# KiCad board V1.1.kicad_pcb (continued)
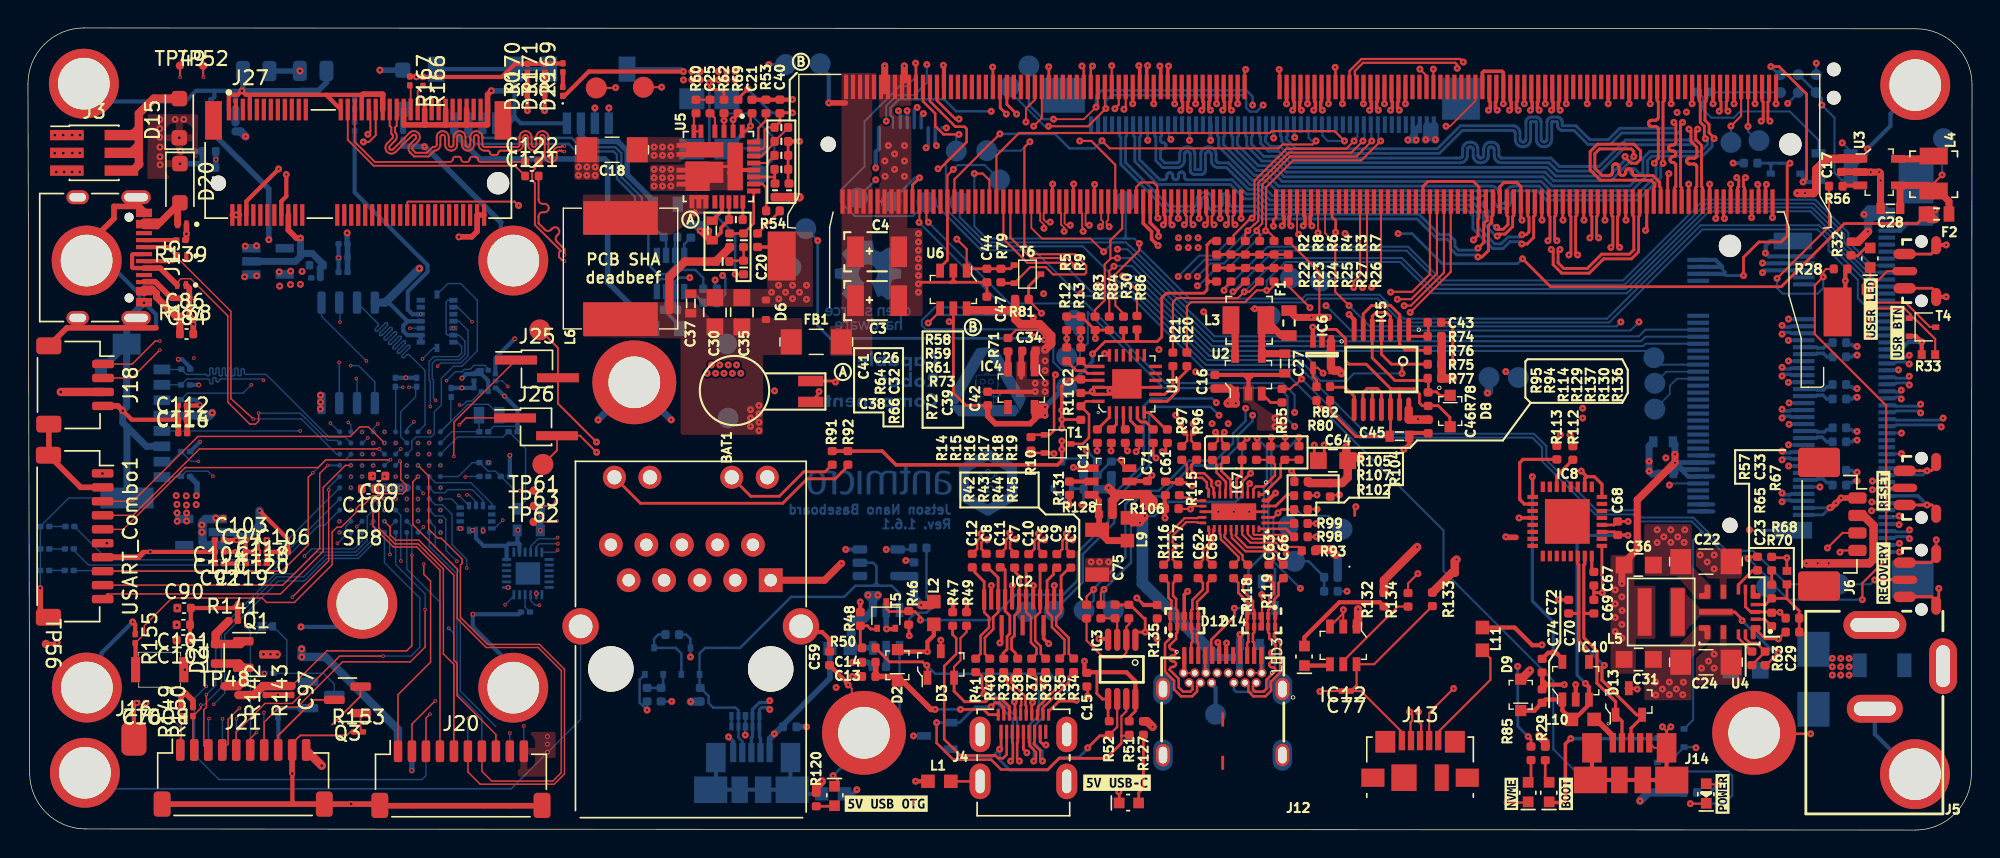
[diagram p0: board, top side]
## Routing (per net, layer and track width the routed paths; a pad name or vN(x,y) marks a point on that pad's centre or on a via; arc(x,y) is an arc through that point) (continued)
TMDS_HPD: length 66.3
  Top w0.15: M1.96 101.25,39.9 98.89,37.53 v1(98.4,37.53)
  Top w0.18: v1(63.81,15.03) 63.81,15.25 63.42,15.64 61.57,15.64 61.37,15.84 T5.3
  In3_SIGNAL.Cu w0.15: v1(84.97,30.59) 85.52,30.04 86.32,30.04 87.27,29.09 87.77,29.09 88.07,29.39 88.07,32.09 90.1,34.12 95.67,34.12 98.37,36.82 98.37,37.5 v1(98.4,37.53)
  Bottom w0.18: 71.37,16.49 71.37,16.79 71.42,16.84 ; 71.37,16.49 71.37,16.59 ; 71.37,16.49 TP24.1 ; v1(84.97,30.59) 84.67,30.89 80.32,30.89 79.77,30.34 79.77,26.19 77.27,23.69 77.27,22.09 75.07,19.89 75.07,17.89 74.02,16.84 71.62,16.84 ; 71.62,16.84 71.42,16.84 ; 71.62,16.84 71.37,16.59 ; 71.37,16.59 71.12,16.84 ; v1(63.81,15.03) 68.81,15.03 70.62,16.84 71.12,16.84 ; 71.42,16.84 71.12,16.84
UART0_RX: length 58.2
  Top w0.138: v1(40.65,27.77) 37.9,30.52 J25.2 37.9,34.5 TP18.1 ; v1(71.36,50.68) 71.36,51.63 72,52.27 M1.205
  In3_SIGNAL.Cu w0.138: v1(71.36,50.68) 71.36,50.49 70.25,49.38 69.43,49.38 66.98,46.93 66.98,41.04 63.61,37.67 63.61,34.3 57.08,27.77 v1(40.65,27.77)
UART0_TX: length 54.8
  Top w0.138: M1.203 72.5,50.97 v1(71.91,50.38) ; TP16.1 37.83,27.18 J26.2 39.47,28.22 v1(40.66,27.04)
  In3_SIGNAL.Cu w0.138: v1(40.66,27.04) 56.9,27.04 63.93,34.07 63.93,36.47 67.24,39.79 67.24,45.94 71.68,50.37 71.87,50.37 v1(71.91,50.38) 71.89,50.37 71.88,50.37
UART1_RX: length 74.9
  Top w0.15: M1.238 63.75,43.52 v1(63.72,43.49)
  Top w0.25: R112.2 110.47,28.09 v1(110.27,28.29)
  In5_3V3_SYS_SIGNAL.Cu w0.15: v1(90.57,28.89) 91.57,28.89 92.27,28.19 94.47,28.19 94.87,27.79 109.77,27.79 v1(110.27,28.29)
  Bottom w0.15: v1(90.57,28.89) 90.07,29.39 90.07,31.04 89.48,31.63 81.21,31.63 75.78,37.07 75.78,34.85 75.22,34.28 75.22,33.5 74.66,32.94 73.88,32.94 73.32,33.5 73.32,35.4 72.88,35.84 64.18,35.84 63.92,36.1 63.92,36.48 64.86,37.42 69.79,37.42 v1(63.72,43.49)
UART1_TX: length 54.8
  Top w0.15: v1(64.38,43.5) 64.25,43.63 M1.236
  Top w0.23: v1(109.57,28.29) 109.32,28.04 R113.2
  In5_3V3_SYS_SIGNAL.Cu w0.15: v1(109.57,28.29) 109.37,28.09 95.07,28.09 94.57,28.59 92.37,28.59 91.57,29.39 91.07,29.39 v1(90.57,29.89)
  Bottom w0.15: v1(90.57,29.89) 90.57,31.14 89.72,31.99 81.34,31.99 75.64,37.69 70.19,37.69 v1(64.38,43.5)
USB1_D_N: length 67.7
  Top w0.25: v1(96.56,51.52) 96.43,51.65 96.43,52.11 96.5,52.17 96.5,53.18 ; J12.A7 85.68,13.36 v1(85.7,13.38)
  In2.Cu w0.16: J12.B7 85.29,11.5 85.29,11.87 82.06,15.1 82.06,26.89 78.72,30.22 78.72,50.75 79.53,51.55 79.53,52.35 80.22,53.04 95.79,53.04 96.39,52.44 96.39,51.69 v1(96.56,51.52)
  In3_SIGNAL.Cu w0.2: J12.B7 85.03,11.96 85.69,12.62 85.69,13.37
USB1_D_P: length 66.9
  Top w0.25: v1(95.93,51.52) 96.06,51.65 96.06,52.11 96,52.17 96,53.18 ; v1(85.08,13.43) 85.18,13.32 J12.A6
  In2.Cu w0.16: v1(95.93,51.52) 96.1,51.69 96.1,52.32 95.67,52.76 80.34,52.76 79.81,52.23 79.81,51.43 79.01,50.63 79.01,30.34 82.34,27.01 82.34,15.22 85.57,11.99 85.57,11.5 J12.B6
  In5_3V3_SYS_SIGNAL.Cu w0.175: v1(85.08,13.43) 85.08,12.81 85.83,12.06 J12.B6
USB2_D_N: length 59.9
  Top w0.16: J13.2 98.86,6.44 98.86,7.71 98.98,7.83 98.98,8.28 v1(98.8,8.46) ; M1.121 95,53.91 94.88,54.03 94.88,54.33 95.46,54.92 102.06,54.92 102.2,54.78 v1(102.2,54.53)
  In2.Cu w0.16: v1(102.2,54.53) 102.37,54.35 102.37,23.7 arc(102.29,23.49) 102.07,23.4 101.93,23.4 arc(101.71,23.31) 101.63,23.1 arc(101.71,22.89) 101.93,22.8 102.07,22.8 arc(102.29,22.71) 102.37,22.5 102.37,20.72 98.98,17.32 98.98,8.64 v1(98.8,8.46)
USB2_D_P: length 59.9
  Top w0.16: J13.3 99.62,6.48 99.62,7.56 99.43,7.76 v1(99.43,8.46) ; v1(102.64,54.97) 102.42,55.19 95.35,55.19 94.5,54.33 M1.123
  In2.Cu w0.16: v1(102.64,54.97) 102.64,54.71 102.64,54.71 102.64,54.46 102.64,54.46 102.64,20.6 99.25,17.21 99.25,8.64 v1(99.43,8.46)
USBSS_RX6_N: length 31.3
  Top w0.16: R97.1 82.9,27.86 82.9,28.3 v1(82.72,28.47)
  Top w0.23: 83,53.18 83,52.17 82.92,52.1 82.92,51.66 v1(83.06,51.52) ; 83,51.56 83.06,51.49
  In2.Cu w0.16: v1(83.06,51.52) 82.89,51.35 82.89,50.91 82.56,50.58 81.46,50.58 81.01,50.13 81.01,44.83 80.26,44.08 80.26,30.07 80.73,29.6 arc(80.87,29.54) 81.01,29.6 81.02,29.61 arc(81.16,29.67) 81.3,29.61 arc(81.36,29.47) 81.3,29.32 81.3,29.32 arc(81.24,29.18) 81.3,29.04 arc(81.44,28.98) 81.58,29.04 81.59,29.04 arc(81.73,29.1) 81.87,29.04 arc(81.93,28.9) 81.87,28.76 81.86,28.75 arc(81.8,28.61) 81.86,28.47 82.43,27.91 82.71,27.91 82.89,28.09 82.89,28.3 v1(82.72,28.47)
USBSS_RX6_P: length 31.3
  Top w0.16: v1(83.34,28.47) 83.18,28.31 83.18,27.86 R96.1
  Top w0.23: v1(82.43,51.52) 82.57,51.66 82.57,52.1 82.5,52.17 82.5,53.18 ; 82.43,51.49 82.5,51.56
  In2.Cu w0.16: v1(83.34,28.47) 83.17,28.3 83.17,27.97 82.83,27.62 82.31,27.62 79.98,29.95 79.98,44.2 80.73,44.95 80.73,50.25 81.35,50.87 82.45,50.87 82.6,51.03 82.6,51.35 v1(82.43,51.52)
USBSS_TX6_N: length 22.2
  Top w0.16: v1(84.92,28.47) 85.08,28.31 85.08,27.85 R95.1
  Top w0.23: 81.75,44.98 81.75,43.99 81.67,43.92 81.67,43.45 v1(81.81,43.32)
  In2.Cu w0.16: v1(81.81,43.32) 81.64,43.15 81.64,32.24 82.55,31.33 arc(82.7,31.27) 82.85,31.33 arc(83,31.4) 83.15,31.33 83.17,31.32 arc(83.23,31.17) 83.17,31.01 arc(83.11,30.86) 83.17,30.71 83.18,30.7 arc(83.33,30.63) 83.49,30.7 arc(83.64,30.76) 83.79,30.7 83.8,30.68 arc(83.87,30.53) 83.8,30.38 arc(83.74,30.23) 83.8,30.07 84.2,29.67 84.2,27.89 84.37,27.73 84.87,27.73 85.09,27.96 85.09,28.3 v1(84.92,28.47)
USBSS_TX6_P: length 22.1
  Top w0.16: 85.75,27.46 85.37,27.85 85.37,28.29 v1(85.54,28.47)
  Top w0.23: v1(81.18,43.32) 81.32,43.45 81.32,43.92 81.25,43.99 81.25,44.98
  In2.Cu w0.16: v1(81.18,43.32) 81.35,43.15 81.35,32.12 83.92,29.56 83.92,27.78 84.25,27.45 84.98,27.45 85.37,27.84 85.37,28.3 v1(85.54,28.47)
USR_BUTTON: length 91.3
  Top w0.15: v1(131.65,38.7) 132.95,40 USR1.2 ; M1.218 68.75,46.51 68.27,46.99 v1(67.67,46.99) ; 78.34,36.96 77.75,37.55 77.75,39.77 79.46,41.48 v1(79.46,41.98)
  Bottom w0.15: 78.49,42.45 78.49,42.57 ; 78.49,42.45 78.37,42.33 78.33,42.33 ; 78.49,42.45 78.6,42.33 78.73,42.33 ; 78.49,42.57 78.49,42.37 78.53,42.33 ; 78.49,42.57 78.49,44.98 ; 78.73,42.33 79.11,42.33 v1(79.46,41.98) 79.46,41.63 83.06,38.04 91.13,38.04 91.4,38.31 96.65,38.31 98.36,36.6 98.96,36.6 112.91,36.6 119.6,43.29 128.07,43.29 129.06,42.3 129.06,41.65 131.65,39.06 v1(131.65,38.7) ; 78.73,42.33 78.53,42.33 ; 78.53,42.33 78.33,42.33 ; 78.33,42.33 68.55,42.33 67.67,43.21 v1(67.67,46.99)
USR_LED: length 92
  Top w0.125: v1(76.92,41.39) 75.97,42.34 72.5,42.34 71.75,43.09 M1.206
  Top w0.15: R33.1 136.37,35.15 134.86,36.66 134.61,36.66 134.61,36.91 134.19,37.33 v1(131.58,37.33)
  Bottom w0.15: 78.24,42.06 77.59,42.06 v1(76.92,41.39) ; 78.24,42.06 78.51,42.06 78.76,41.81 78.8,41.81 82.85,37.76 91.24,37.76 91.52,38.04 96.52,38.04 98.23,36.33 113.07,36.33 119.73,42.99 127.97,42.99 128.75,42.21 128.75,41.47 130.85,39.38 130.85,38.06 v1(131.58,37.33) ; 78.24,42.06 68.44,42.06 66.63,43.87 TP26.1
VSYNC_CAM1_1: length 31.4
  Top w0.15: v1(92.1,49.32) 91.85,49.07 89.69,49.07 89.42,48.79 77.35,48.79 v1(76.8,49.33) ; M1.228 66.25,46.58 v1(69.5,49.83)
  Bottom w0.15: v1(92.1,49.32) 91.8,49.32 91.56,49.56 91.56,50.4
  Bottom w0.18: v1(69.5,49.83) 73.43,49.83 74.47,48.79 76.26,48.79 v1(76.8,49.33)
VSYNC_CAM1_2: length 31.6
  Top w0.15: v1(94.14,49.32) 93.43,50.02 88.93,50.02 88.79,49.89 70.87,49.89 69.25,48.27 M1.216
  Bottom w0.15: 92.56,50.4 92.56,49.7 92.56,49.7 92.94,49.32 v1(94.14,49.32)
VSYNC_CAM2_1: length 52.9
  Top w0.15: M1.114 96.75,39.46 96.12,38.83 96.09,38.86 v1(96.07,38.86)
  In2.Cu w0.125: 93.5,38.53 93.5,38.53 94.34,39.37 95.55,39.37 v1(96.07,38.86)
  In2.Cu w0.15: v1(131.57,35.43) 129.8,37.2 116.03,37.2 v1(115.19,36.37) ; v1(92.81,37.53) 92.81,37.84 93.5,38.53
  Bottom w0.15: v1(92.81,37.53) 94.59,35.76 114.58,35.76 v1(115.19,36.37) ; 132.77,35.42 132.77,35.43 v1(131.57,35.43)
VSYNC_CAM2_2: length 48.2
  Top w0.125: M1.130 92.75,42.72 93.48,42
  Top w0.15: v1(94.47,37.53) 93.48,38.53 93.48,42
  In2.Cu w0.15: v1(113.9,36.37) 115.07,37.53 130.46,37.53 v1(131.58,36.42)
  Bottom w0.15: 132.77,36.42 132.77,36.42 v1(131.58,36.42) ; v1(94.47,37.53) 94.47,37.53 95.95,36.05 113.58,36.05 v1(113.9,36.37)
~{OTG_USB_ID_DET}: length 52.2
  Top w0.18: v1(93.51,42.79) 93.51,43.62 93.25,43.88 M1.128
  In5_3V3_SYS_SIGNAL.Cu w0.125: v1(61.37,20.08) 64.66,20.08 71.07,26.49 71.07,37.29 71.57,37.79 77.67,37.79 81.13,41.25 92.13,41.25 93.51,42.63 v1(93.51,42.79)
  Bottom w0.18: v1(61.37,20.08) 61.37,20.08 U8.4 63.17,20.08 R111.2
~{OTG_USB_VBUS_DET}: length 84.1
  Top w0.125: M1.87 103.5,52.18 101.69,50.37 v1(101.4,50.37)
  In2.Cu w0.125: v1(94.18,42.7) 94.18,43.46 98.07,47.35 98.07,49.79 98.65,50.37 v1(101.4,50.37)
  In5_3V3_SYS_SIGNAL.Cu w0.125: v1(47.37,12.39) 49.97,12.39 54.47,16.89 58.57,16.89 60.17,18.49 63.47,18.49 71.37,26.39 71.37,37.19 71.67,37.49 77.77,37.49 81.27,40.99 92.57,40.99 94.17,42.59 94.17,42.69
  Bottom w0.18: R103.2 47.07,13.99 47.37,13.69 T7.3 v1(47.37,12.39)
Net-(BOOT1-A): length 1.7
  Top w0.2: R29.1 108.49,3.69 BOOT1.1
Net-(BOOT1-K): length 11.5
  Top w0.25: 109.1,1.97 109.7,1.97 109.93,2.2 109.93,6.17 v1(110.32,6.55)
  Bottom w0.25: v1(110.32,6.55) 116.36,6.55
Net-(C20-Pad2): length 2.3
  Top w0.18: C20.2 53.75,44.28 R54.2
Net-(C25-Pad2): length 1
  Top w0.15: C25.2 R60.1
Net-(C33-Pad2): length 1
  Top w0.2: C33.2 R65.1
Net-(C99-Pad2):
  vias: v4(24.68,25.32)
Net-(C100-Pad2):
  vias: v4(23.88,24.5)
Net-(D15-A): length 11.4
  Top w0.6: J3.6 7.5,47.2 7.95,47.65 7.93,47.67 7.93,49.03 ; J3.2 7.44,49.74 7.93,50.23 ; 7.93,49.03 7.37,48.47 J3.4 ; 7.93,49.03 7.93,50.23 ; D15.2 9,52.35 7.93,51.28 7.93,50.23
Net-(D18-A1): length 1.6
  Bottom w0.4: D18.1 26.8,50.08 R140.1
Net-(D21-A): length 4.1
  Top w0.6: Q1.1 15.19,13.32 D21.2 13.43,14.04 R141.1
Net-(D22-K): length 0.9
  Bottom w0.3: D22.1 23.36,51.62
Net-(D23-K): length 0.9
  Bottom w0.3: D23.1 13.09,51.58 R145.2
Net-(D24-K): length 1
  Bottom w0.3: 14.84,51.61 R146.2
  Bottom w0.6: D24.1 14.84,51.61
Net-(D26-K): length 1.2
  Bottom w0.1: D26.1 R156.1
Net-(D27-K): length 1.1
  Bottom w0.1: D27.1 R157.1
Net-(D28-K): length 1.1
  Bottom w0.1: D28.1 R158.1
Net-(D29-A): length 1
  Top w0.3: R169.1 38.25,53.2
Net-(D30-A): length 1
  Top w0.3: R170.1 35.71,53.23
Net-(D31-A): length 1
  Top w0.3: 36.96,54.22 36.96,53.24 D31.2
Net-(F4-Pad2): length 26
  Bottom w0.3: J8.1 30.49,50.11
  Bottom w0.4: 30.49,50.11 30.49,49.86 32.31,48.03 41.23,48.03 41.45,47.82 41.45,39.22 F4.2 44.78,36.03
Net-(F5-Pad2): length 9.2
  Bottom w0.4: F5.2 44.68,45.08 42.85,46.91 42.85,48.62 42.17,49.29 39.98,49.29 39.54,49.73 J9.2
Net-(IC3-SCLA): length 7.7
  Top w0.15: 75.7,15.16 75.7,13.56 76.91,12.34 78.18,12.34 78.53,12.69 IC3.2 78.54,13.63 78.54,14.55 78.76,14.77 78.76,15.16
Net-(IC3-SDAA): length 2.6
  Top w0.15: 77.88,13.62 77.88,15.01 77.74,15.16 76.72,15.16
Net-(IC4-EN): length 1.3
  Top w0.406: R71.1 70.08,32.98
Net-(IC5-1B): length 8.6
  Top w0.2: IC5.6 95.48,36.95 96.07,37.53 97.44,37.53 98.08,36.89 IC5.2 98.08,34.76 98.49,34.35 100.13,34.35
Net-(IC5-3A): length 5.5
  Top w0.2: IC5.11 96.78,31.31 96.47,31.62 96.12,31.62 ; IC5.9 95.46,30.13 95.46,31.31 95.76,31.62 96.12,31.62 ; IC5.10 96.13,31.61 96.12,31.62
Net-(IC5-~{3Y}): length 2.9
  Top w0.2: IC5.8 94.83,31.05 94.19,31.69 93.09,31.69
Net-(IC7-CURRENT_MODE): length 8.3
  Top w0.15: 93.19,23.97 93.75,23.97 v1(93.77,23.99) ; v1(87.36,24.8) 87.22,24.66 IC7.3
  In2.Cu w0.18: v1(93.77,23.99) 92.85,24.91 87.47,24.91 v1(87.36,24.8) 87.36,24.8
Net-(IC7-DIR): length 1.7
  Top w0.15: IC7.11 83.38,23.58 83.16,23.8 82.48,23.8 82.4,23.88
Net-(IC7-ENn_CC): length 2.5
  Top w0.2: 90.54,24 90.03,24 89.22,23.19 88.43,23.19 IC7.29
Net-(IC7-PORT): length 5.7
  Top w0.2: v1(90.35,25.68) 90.56,25.48 90.56,24.79 ; v1(87.43,25.53) 86.82,24.93 IC7.4
  In2.Cu w0.2: 90.29,25.62 v1(90.35,25.68) ; 90.27,25.6 87.49,25.6 v1(87.43,25.53)
Net-(IC7-VBUS_DET): length 2.7
  Top w0.2: IC7.5 86.42,25.13 86.78,25.49 86.78,26.47 86.82,26.5
Net-(IC8-3V3OUT): length 1.2
  Top w0.23: 111.82,19.61 111.82,18.62 C67.2
Net-(IC8-RXD): length 6.4
  Top w0.23: IC8.2 106.99,23.34 106.67,23.66 106.67,26.29 106.91,26.53 R113.1
Net-(IC8-TXD): length 2.4
  Top w0.23: IC8.30 109.32,25.36 R112.1
Net-(IC9-ILIM): length 1.4
  Bottom w0.4: R124.1 61.37,11.7 IC9.5
Net-(IC9-OUT): length 2.8
  Bottom w0.4: IC9.6 58.84,13.04 L7.1 58.87,13.06 R122.2
Net-(IC11-ILIM): length 1.6
  Top w0.3: R131.1 76.05,24.95
Net-(IC11-OUT): length 5.2
  Top w0.4: C75.2 76.58,21.62 R128.2 76.58,23.57 76.13,24.03
  Top w0.5: L9.1 77.22,20.72 76.53,21.41
Net-(IC11-~{EN}): length 5.9
  Top w0.18: v1(78.17,26.49) 78.17,26.27 78.5,25.93
  Bottom w0.18: v1(78.17,26.49) 77.56,26.49 R126.2 75.5,26.37 R123.2 75.38,26.37 75.17,26.59 74.22,26.59 T9.3
Net-(IC11-~{FAULT}): length 27.8
  Top w0.2: 78.03,1.9 78.03,2.58 78.01,2.6 v1(78.01,2.74) ; IC11.4 74.81,25.9 v1(74.76,25.95)
  In2.Cu w0.2: v1(74.76,25.95) 74.76,25.4 76.71,23.45 76.71,21.1 75.37,19.76 75.37,13.55 78.01,10.92 v1(78.01,2.74)
Net-(IC12-ILIM): length 6.5
  Top w0.15: IC12.5 94.05,12.09 97.95,15.99 R134.1
Net-(J4-+5V): length 10.9
  Top w0.2: J4.19 68.7,8.26 68.33,8.63 v1(66.68,8.63)
  Top w0.4: 60.62,10.99 60.62,12.01 ; v1(64.87,8.63) 64.57,8.63 62.21,10.99 C13.2
  Bottom w0.2: v1(66.68,8.63) v1(64.87,8.63)
Net-(J4-GND): length 16
  Top w0.15: 66.12,13.99 66.12,14.63
  Top w0.18: 66.12,13.99 66.37,13.73 66.37,12.59 65.51,11.73 65.51,6.5 66.67,5.34 69.17,5.34 69.37,5.14 69.72,5.14 69.98,5.4 J4.16
  Top w0.2: 66.12,13.99 R47.2
Net-(J7-LED): length 35.8
  Top w0.15: v1(105.77,1.99) 105.79,1.97 106.87,1.97
  In3_SIGNAL.Cu w0.15: v1(117.37,24.69) 109.27,24.69 107.67,23.09 107.67,12.49 108.12,12.04 108.12,10.24 105.97,8.09 105.97,2.19 v1(105.77,1.99)
  Bottom w0.15: v1(117.37,24.69) 117.49,24.81 J7.10
Net-(J7-SMB_CLK): length 4.4
  Bottom w0.125: J7.40 117.91,32.31 117.41,31.81 117.41,31.21 TP43.1
Net-(J7-SMB_DATA): length 3.4
  Bottom w0.125: TP42.1 117.16,32.81 J7.42
Net-(J10-Pad12): length 8.7
  Top w0.2: J10.12 51.68,23.89 53.72,23.89 55.47,25.64 57,25.64 R91.1
Net-(J10-Pad14): length 18.7
  Top w0.2: R92.2 58.63,26.05 57.72,25.14 55.72,25.14 53.97,23.39 43.79,23.39 J10.14
Net-(J11-SHIELD): length 13.4
  Bottom w0.3: J11.S J11.S J11.S J11.S 49.19,3.26 J11.S ; J11.S 54.52,3 J11.S ; J11.S 54.94,2.59 L8.2 ; J11.S 55.02,2.51
Net-(J12-SBU2): length 2.3
  Bottom w0.3: 84.62,10.48 84.92,10.18 TP47.1
Net-(J13-Shield): length 8.2
  Top w0.15: L11.2 104.57,12.29 104.57,10.75 100.84,7.02 J13.5
Net-(J15-CC1): length 2.3
  Top w0.3: R139.2 10.6,42.22 J15.A5
Net-(J15-CC2): length 3.1
  Top w0.4: R138.2 10.28,38.06 9.09,39.25 8.3,39.25
Net-(J27-PETn0): length 15.9
  Top w0.125: J27.37 23.37,49.25 24.8,47.82 30.19,47.82 arc(30.32,47.87) 30.38,48.01 arc(30.43,48.14) 30.56,48.19 30.79,48.19 arc(30.92,48.14) 30.98,48.01 arc(31.03,47.87) 31.16,47.82 31.39,47.82 arc(31.52,47.87) 31.58,48.01 arc(31.63,48.14) 31.76,48.19 31.99,48.19 arc(32.12,48.14) 32.18,48.01 arc(32.23,47.87) 32.36,47.82 C122.1
Net-(J27-PETp0): length 15.9
  Top w0.125: J27.35 22.87,49.4 24.72,47.55 34.86,47.55 34.86,47.51 C121.1
Net-(LED1-A): length 1.3
  Top w0.2: LED1.1 57.63,1.7 R120.1
Net-(LED2-A): length 5
  Top w0.2: 79.42,1.9 79.42,2.68 79.76,3.02 79.76,6.75
Net-(LED3-A): length 7.5
  Top w0.3: R132.1 96.66,16.3 93.77,16.3 91.27,13.8 LED3.1
Net-(M1B-CAM1_PWDN): length 9.3
  Top w0.15: v1(94.8,38.83) 94.8,39.26 95.25,39.71 M1.120
  Bottom w0.15: TP4.1 92.64,39.49 94.57,39.49 94.8,39.26 v1(94.8,38.83)
Net-(M1B-GPIO01): length 12.6
  Top w0.15: v1(95.43,38.83) 95.43,39.16 95.75,39.48 M1.118
  Bottom w0.15: v1(95.43,38.83) 95.43,39.24 94.31,40.35 91.52,40.35 90.45,39.29
Net-(M1C-UART0_RXD): length 59
  Top w0.138: M1.101 100,53.99 v1(99.53,54.46) ; v1(45.31,53.17) 45.31,53.17 TP17.1
  In5_3V3_SYS_SIGNAL.Cu w0.138: v1(45.31,53.17) 45.31,53.36 47.19,55.23 59.92,55.23 60.9,54.25 67.86,54.25 68.77,55.16 98.83,55.16 v1(99.53,54.46)
Net-(M1C-UART0_TXD): length 62.6
  Top w0.138: TP19.1 42,53.12 v1(42.02,53.14) ; M1.99 100.49,53.19 v1(100.49,54.46)
  In5_3V3_SYS_SIGNAL.Cu w0.138: v1(100.49,54.46) 99.36,55.59 44.47,55.59 v1(42.02,53.14)
Net-(NVME1-A): length 1.7
  Top w0.2: R85.1 107.47,3.62 NVME1.1
Net-(PWR1-A): length 2.6
  Top w0.15: 120,3.27 120.85,3.27 v1(120.87,3.29)
  Bottom w0.2: v1(120.87,3.29) 120.27,2.69 119.35,2.69
Net-(PWR1-K): length 9.4
  Top w0.15: 120,1.87 119.98,1.89 v1(118.87,1.89)
  Top w0.25: 119.97,1.9 120,1.87
  Bottom w0.15: T3.3 121.57,4.19 121.87,3.89 121.87,2.49 121.27,1.89 v1(118.87,1.89)
Net-(Q2-B): length 2.2
  Bottom w0.1: R148.1 19.98,8.67
  Bottom w0.125: 19.98,8.67 Q2.1
Net-(Q2-C): length 9.2
  Bottom w0.1: 18.51,11.22 18.51,13.6 U23.1 ; 18.51,11.22 R151.2 ; 18.51,11.22 21.13,11.22 21.9,10.45 Q2.3
Net-(Q3-B): length 1.5
  Top w0.125: R153.2 23.78,7.19 Q3.1
  Bottom w0.1: R152.1 32.98,25.25
Net-(R2-Pad1): length 5.1
  Top w0.2: 90.12,41.19 84.99,41.19
Net-(R22-Pad1): length 5.1
  Top w0.2: 90.12,40.22 84.99,40.22
Net-(T1-D): length 5.4
  Top w0.18: U1.24 75.64,30.68 R11.2 75.87,29.75 75.87,28.09 75.42,27.64 T1.3
Net-(T4-D): length 8.3
  Top w0.15: 131.73,40.21 131.73,39.54 131.19,39.01 131.19,38.42 131.86,37.75 134.25,37.75 136,36.01 136.51,36.01
Net-(T5-G): length 2.9
  Top w0.15: R48.1 59.52,14.62
  Top w0.2: 59.52,14.62 60.02,14.62 60.26,14.38 60.69,14.38 ; R48.1 59.52,13.16 R50.2
Net-(T7-S): length 5.2
  Bottom w0.18: R103.1 45.07,13.99 44.77,13.69 T8.3 46.32,13.04 46.72,12.64 T7.2
Net-(T8-G): length 2
  Bottom w0.18: R109.1 R110.2 45.42,10.32 T8.1
Net-(TP1-CTS/TMS): length 5
  Bottom w0.15: 120.37,52.83 120.4,52.8 125.31,52.8 TP1.2
Net-(TP2-P): length 4.3
  Top w0.15: v1(122.99,50.36) 123,50.37 M1.9
  Bottom w0.15: 123.78,49.22 122.99,50.01 v1(122.99,50.36)
Net-(TP3-P): length 4.3
  Top w0.15: M1.11 122.5,51.11 v1(121.77,50.39)
  Bottom w0.15: TP3.1 v1(121.77,50.39)
Net-(TP33-P): length 9.7
  Top w0.15: L3.2 88.52,36.94 88.14,37.31 87.47,37.31
  Top w0.5: F1.1 89.61,35.4 L3.2 88.22,36.19 U2.4 88.37,34.09 C27.1
  Bottom w0.15: TP33.1 88.29,37.31 87.47,37.31
  vias: v1(87.72,37.31)
Net-(TP34-P): length 10.8
  Top w0.15: L4.2 136.27,46.29 v1(136.87,46.89)
  Top w0.5: C28.1 133.87,45.99 U3.4 135.87,46.14 L4.2 136.62,45.74 137.36,45 F2.2
  Bottom w0.15: TP34.1 136.87,49.39 v1(136.87,46.89)
Net-(U1-SC0): length 1.4
  Top w0.2: U1.2 77.83,29.04 R15.2
Net-(U1-SC1): length 1.5
  Top w0.2: R17.2 78.83,29.31 U1.4
Net-(U1-SC2): length 2
  Top w0.2: 81.36,28.68 80.16,29.88 U1.6
Net-(U1-SC3): length 2.9
  Top w0.2: U1.8 81.28,31.18 81.87,31.78 R21.2
Net-(U1-SCL): length 1.4
  Top w0.2: U1.19 75.67,33.18 R13.1
Net-(U1-SD0): length 1.6
  Top w0.2: R14.2 77.33,29.54 U1.1
Net-(U1-SD1): length 1.3
  Top w0.2: R16.2 78.33,28.81 U1.3
Net-(U1-SD2): length 1.9
  Top w0.2: U1.5 79.33,29.45 79.57,29.21 79.93,29.21 R18.2
Net-(U1-SD3): length 3.9
  Top w0.2: R20.2 82.87,32.89 82.27,32.29 82.27,31.49 81.46,30.68 U1.7
Net-(U1-SDA): length 2.6
  Top w0.2: U1.20 75.75,32.68 75.56,32.88 74.97,32.88 R12.1
Net-(U2-EN): length 1.7
  Top w0.2: R55.1 88.85,30.6 U2.3
Net-(U2-SW): length 2.7
  Top w0.5: U2.5 86.32,36.19 L3.1
Net-(U3-EN): length 1.3
  Top w0.3: 129.75,46.09 129.8,46.14 U3.3
Net-(U3-SW): length 2.6
  Top w0.5: U3.5 136.07,48.04 L4.1
Net-(U4-RBOOT): length 1.6
  Top w0.18: U4.13 122.31,13.74 R63.1
Net-(U5-VOUT): length 4.3
  Top w0.18: 51.89,45.74 51.89,43.42 C32.2 R64.2
Net-(U7-RH): length 1.5
  Bottom w0.18: U7.8 46.92,41.93 R89.2
Net-(U7-RXD): length 5.4
  Bottom w0.18: U7.4 44.97,39.19 45.22,39.44 45.87,39.44 46.52,40.09 47.72,40.09 48.28,39.52 R88.1
Net-(U7-TXD): length 1.7
  Bottom w0.18: U7.1 47.52,38.54 48.28,37.77 R87.1
Net-(U22A-PC14-OSC32_IN): length 8.2
  Bottom w0.1: C107.1 30.24,31 30.24,29.25 U22.A1 31.46,30.47 32.93,30.47 Y2.2
Net-(U22A-PC15-OSC32_OUT): length 4.3
  Bottom w0.1: Y2.1 32.25,28.53 C108.1 30.3,28.51 U22.B1
Net-(U22B-BOOT0): length 30.7
  Top w0.1: v4(26.59,26.41) 26.66,26.34 26.66,25.08 27.07,24.67 27.07,24.34 26.81,24.08 25.25,24.08 25.09,23.92 24.64,23.92 24,23.28 23.74,23.28 23.47,23.01 23.47,22.75 22.4,21.68 22.1,21.68 21.75,21.33 21.75,18.99 19.05,16.29 17.06,16.29 16.74,16.61 10.3,16.61 8.32,14.63 8.32,14.03 R155.2
  Top w0.3: R155.2 7.69,13.35 BOOT2.2
  Bottom w0.1: U22.D5 26.29,26.11 v4(26.59,26.41)
Net-(U22B-PH0-OSC_IN): length 11.8
  Bottom w0.1: Y1.3 35.58,23.59 35.58,27.32 34.38,28.52 C102.1 33.97,28.13 30.72,28.13 U22.C1
Net-(U26-REGOUT): length 1.4
  Bottom w0.1: C115.1 35.55,15.96 U26.10
Net-(USER1-A): length 1.6
  Top w0.2: 130.36,41.14 130.41,41.09 130.81,41.09 131.33,41.61 131.73,41.61
unconnected-(D10-CH4-Pad5): length 0.8
  Bottom w0.18: 50.3,8.17 D10.5
unconnected-(U24-INT2/FSYNC/CLKIN-Pad9): length 0
  Bottom w0.1: 30.73,22.14 30.72,22.15

## Copper pours and planes (outline as drawn; the poured copper is in the pictures)
3V3_SYS on Top: 114.87,17.49 116.37,17.49 116.37,13.69 114.97,13.69 114.97,11.19 113.17,11.19 113.17,19.69 114.87,19.69
3V3_SYS on Bottom: 122.43,39.76 122.43,22.59 120.37,22.59 120.43,40.96 120.93,40.96
3V3_SYS on Bottom: 114.97,13.34 113.17,13.34 113.17,19.24 114.97,19.24
3V3_SYS on Bottom: 52.67,37.29 56.07,37.29 56.07,29.39 73.07,29.39 73.07,30.39 74.27,30.39 74.27,26.89 71.47,26.89 70.77,27.59 52.87,27.59 52.87,30.89 52.07,31.69 52.07,36.09 48.07,36.09 47.27,35.29 46.07,35.29 46.07,36.49 47.07,36.49 47.67,37.09 50.57,37.09 50.57,43.99 46.07,43.99 46.07,45.49 52.67,45.49
3V3_SYS on In5_3V3_SYS_SIGNAL.Cu: 114.67,13.29 114.67,20.99 111.47,24.19 97.17,24.19 94.77,26.59 79.63,26.59 77.27,28.92 77.27,35.22 76.73,35.76 73.57,35.76 73.27,35.49 73.27,24.99 76.72,21.54 76.74,14.76 77.72,13.76 79.99,13.76 81.03,14.78 81.03,15.84 83.04,17.85 107.87,17.89 112.47,13.29
5V0_SYS on Top: 48.82,36.64 55.37,36.64 55.37,33.99 52.57,33.99 52.57,28.29 46.67,28.29 46.67,35.19 39.67,35.29 39.67,37.79 47.67,37.79
5V0_SYS on Top: 73.03,32.48 71.73,32.48 71.73,34.68 73.03,34.68
5V0_SYS on Top: 35.04,6.81 35.03,3.83 37.1,3.82 37.08,5.17 37.74,5.18 37.74,7.03 35.04,7.02
5V0_SYS on Bottom: 48.88,28.26 52.57,28.26 52.57,30.72 48.88,30.72
5V0_SYS on In1.Cu: 101.38,51.38 126.77,51.29 126.77,47.19 128.6,45.4 128.6,44.57 128.61,44.53 128.62,44.49 128.65,44.46 128.68,44.44 128.71,44.42 128.75,44.42 131.82,44.42 131.96,44.28 131.96,42.6 131.82,42.46 128.75,42.46 128.71,42.46 128.68,42.44 128.65,42.42 128.62,42.39 128.61,42.35 128.6,42.31 128.6,42.29 128.6,20.82 128.61,20.78 128.62,20.75 128.65,20.71 129.21,20.15 129.21,18.56 127.02,16.37 127,16.33 126.98,16.3 126.98,16.26 126.98,1.49 104.59,1.49 104.59,8.38 104.58,8.48 104.55,8.57 104.5,8.66 104.44,8.74 104.36,8.8 104.27,8.85 104.17,8.88 104.07,8.89 102.72,8.89 102.73,8.34 96.53,8.34 96.52,8.89 95.18,8.89 95.09,8.88 94.99,8.85 94.9,8.8 94.82,8.74 94.76,8.66 94.71,8.57 94.68,8.48 94.67,8.38 94.67,1.49 38.44,1.49 38.44,46.89 46.47,46.89 46.47,32.09 52.87,32.09 52.87,51.38
5V0_SYS on In1.Cu: 38.46,10.54 8.46,10.66 8.52,50.36 -1.23,50.23 -1.1,1.52 38.44,1.49
/Supply/3V3_SW on Top: 118.57,16.89 119.57,15.89 121.97,15.89 121.97,15.29 119.57,15.29 118.57,14.29 118.57,13.79 117.37,13.79 117.37,17.39 118.57,17.39
/Supply/3V3_VIN on Top: 119.27,12.29 120.17,13.19 120.97,13.19 120.97,14.69 121.47,14.69 121.47,13.19 122.57,13.19 122.57,10.39 119.27,10.39
/Supply/3V3_VIN on Top: 122.57,17.99 121.47,17.99 121.47,16.49 120.97,16.49 120.97,17.99 120.17,17.99 119.27,18.89 119.27,20.19 122.57,20.19
/Supply/3V3_VIN on Bottom: 122.57,10.39 119.32,10.39 119.32,13.19 122.57,13.19
/Supply/3V3_VIN on In5_3V3_SYS_SIGNAL.Cu: 120.97,11.29 119.27,11.29 119.27,19.99 120.97,19.99
/Supply/5V_SW on Top: 48.67,44.49 45.97,42.59 39.67,42.59 39.67,45.49 48.67,45.49
/Supply/5V_VIN on Top: 47.17,49.24 49.72,49.24 49.72,48.14 46.99,48.14 46.64,47.79 42.82,47.79 42.82,49.59 46.82,49.59
/Supply/5V_VIN on Bottom: 50.87,47.99 44.47,47.99 44.47,49.24 44.87,49.49 50.87,49.49
GND on Top: 40.87,49.59 39.07,49.59 39.07,46.54 40.87,46.54
GND on Top: 51.12,45.79 48.87,45.79 48.82,45.74 44.47,45.74 44.47,47.64 46.82,47.64 47.02,47.84 49.87,47.84 50.02,47.99 50.02,49.19 51.12,49.19
GND on Top: 56.12,37.44 48.37,37.44 47.77,38.04 46.97,38.04 46.97,38.74 52.87,38.74 52.87,42.84 56.12,42.84
GND on Top: 87.67,30.69 88.97,29.79 90.07,29.79 90.07,28.59 87.87,28.59 87.87,29.49 86.87,30.39 86.87,31.89 87.67,31.89
GND on Top: 118.07,13.29 119.47,14.69 120.37,14.69 120.37,13.69 118.97,12.29 118.97,9.29 115.57,9.29 115.57,13.29
GND on Top: 118.97,18.89 120.37,17.49 120.37,16.49 119.37,16.49 117.87,18.19 115.57,18.19 115.57,21.89 118.97,21.89
GND on Top: 71.43,32.28 73.03,32.28 73.03,30.98 70.63,30.98 70.63,33.58 71.43,33.58
GND on Top: 63.16,54.06 60.87,54.06 60.87,45.99 60.57,45.99 60.57,43.79 61.57,43.79 61.57,36.79 63.97,36.79 63.97,43.09 62.87,43.09 62.87,46.19 63.17,46.49
GND on Top: 77.57,17.74 75.57,17.74 75.57,19.49 77.57,19.49
GND on Bottom: 48.37,51.59 46.57,51.59 46.57,54.64 48.37,54.64
GND on Bottom: 28.54,49.59 28.54,55.39 43.54,55.39 43.54,49.59
GND on Bottom: 118.77,18.69 115.72,18.69 115.72,21.79 118.77,21.79
GND on Bottom: 138.17,6.89 126.37,6.89 126.37,10.19 135.67,10.19 135.67,14.19 138.17,14.19
GND on Bottom: 56.12,37.44 52.87,37.44 52.87,41.29 56.12,41.29
GND on In3_SIGNAL.Cu: 96.97,49.09 78.27,49.09 78.27,53.29 96.97,53.29
GND on In3_SIGNAL.Cu: 84.07,30.89 85.47,29.49 87.27,29.49 87.27,11.09 84.27,11.09 80.37,14.99 80.37,25.79 76.67,29.49 76.67,41.59 77.67,42.59 77.67,44.99 77.87,45.19 84.07,45.19
GND on In4_GND.Cu: 138.14,1.49 104.59,1.49 104.59,8.38 104.58,8.48 104.55,8.57 104.5,8.66 104.44,8.74 104.36,8.8 104.27,8.85 104.17,8.88 104.07,8.89 102.72,8.89 102.72,9.48 96.52,9.48 96.52,8.89 95.18,8.89 95.09,8.88 94.99,8.85 94.9,8.8 94.82,8.74 94.76,8.66 94.71,8.57 94.68,8.48 94.67,8.38 94.67,1.49 76.95,1.49 76.95,8.73 76.94,8.83 76.93,9.58 76.73,9.78 76.68,9.78 65.98,9.73 65.95,11.88 65.94,11.93 65.91,11.97 65.87,12 65.82,12.01 63.92,12.01 63.87,12 63.83,11.97 63.8,11.93 63.79,11.88 63.79,1.49 56.71,1.49 57.33,2.11 57.35,2.14 57.36,2.18 57.36,26.01 57.37,26.04 57.38,26.08 57.37,26.13 57.34,26.17 57.3,26.2 57.25,26.21 38.44,26.21 38.44,55.47 138.14,55.47
GND on In6_GND.Cu: 138.16,1.49 104.61,1.49 104.61,8.38 104.6,8.48 104.57,8.57 104.52,8.66 104.46,8.74 104.38,8.8 104.29,8.85 104.19,8.88 104.09,8.89 102.74,8.89 102.74,9.48 96.54,9.48 96.54,8.89 95.2,8.89 95.11,8.88 95.01,8.85 94.92,8.8 94.84,8.74 94.78,8.66 94.73,8.57 94.7,8.48 94.69,8.38 94.69,1.49 76.97,1.49 76.97,8.78 76.96,8.83 76.93,8.87 76.73,9.07 76.69,9.1 76.64,9.11 65.97,9.11 65.97,11.88 65.96,11.93 65.93,11.97 65.89,12 65.84,12.01 63.94,12.01 63.89,12 63.85,11.97 63.82,11.93 63.81,11.88 63.81,1.49 44.07,1.49 43.97,12.59 57.67,12.59 57.67,26.61 38.46,26.61 38.46,55.47 138.16,55.47
GND on In6_GND.Cu: 38.46,55.47 -1.28,55.42 -1.44,1.41 37.84,1.58 37.82,26.61 38.46,26.61
VDD_MOD on Top: 60.37,33.94 57.32,33.94 57.32,36.09 58.17,36.09 58.17,54.19 60.67,54.19 60.67,52.29 60.37,52.29
VIN on Bottom: 50.87,51.59 49.07,51.59 49.07,54.64 50.87,54.64
VIN on Bottom: 48.31,32.31 51.73,32.31 51.73,35.82 48.31,35.82
VIN on Bottom: 128.72,12.69 131.57,12.69 131.57,10.69 123.12,10.69 123.12,12.29 126.62,12.29 126.62,14.19 128.72,14.19
VIN on In1.Cu: 138.14,1.49 127.28,1.49 127.28,16.2 129.47,18.39 129.5,18.42 129.51,18.46 129.52,18.5 129.52,20.21 129.51,20.25 129.5,20.29 129.47,20.32 128.91,20.88 128.91,42.16 131.88,42.16 131.92,42.16 131.96,42.18 131.99,42.2 132.22,42.43 132.24,42.46 132.25,42.5 132.26,42.54 132.26,44.34 132.25,44.38 132.24,44.42 132.22,44.45 131.99,44.68 131.96,44.7 131.92,44.72 131.88,44.72 128.91,44.72 128.91,45.46 128.9,45.5 128.89,45.54 128.86,45.57 127.14,47.29 127.11,47.31 127.07,47.33 127.03,51.59 101.54,51.48 100.99,51.5 98.91,51.5 98.35,51.53 52.47,51.79 52.47,32.49 46.87,32.49 46.87,47.14 46.86,47.17 46.85,47.21 46.82,47.24 46.79,47.27 46.75,47.28 46.71,47.29 38.44,47.29 38.44,55.47 138.14,55.47
VIN on In1.Cu: 16.47,13.12 16.45,11.99 20.36,11.99 20.35,13.32 16.47,13.32
VIN on In1.Cu: 38.44,55.47 18.54,55.35 18.36,10.98 37.69,11.19 37.68,47.28 38.44,47.29
Core_3V3 on Bottom: 10.36,24.36 10.38,21.64 12.38,21.63 12.41,24.37
Core_3V3 on In5_3V3_SYS_SIGNAL.Cu: 10.11,9.44 12.34,9.47 12.33,17.88 21.1,17.88 33.28,17.82 33.31,16.14 37.67,16.09 37.67,21.05 36.98,21.06 36.92,31.07 33.37,31.18 33.2,38.12 25.65,38.23 25.63,29.37 21.9,29.3 21.93,27.84 12.61,27.95 12.53,34.43 10.18,34.43 10.13,12.16
Core_3V3 on In5_3V3_SYS_SIGNAL.Cu: 10.14,11.59 17.34,11.58 17.34,10.71 10.11,10.72 10.12,11.59
EGND on In4_GND.Cu: 57.15,2.23 56.42,1.49 38.44,1.49 38.44,25.96 57.15,25.96
EGND on In6_GND.Cu: 57.15,13.09 43.67,13.09 43.67,1.49 38.44,1.49 38.44,25.96 57.15,25.96
HDMI_SHIELD on In4_GND.Cu: 65.73,9.58 65.83,9.48 76.73,9.48 76.69,8.73 76.69,1.49 64.05,1.49 64.05,11.76 65.73,11.76
HDMI_SHIELD on In6_GND.Cu: 65.69,8.98 65.7,8.94 65.73,8.89 65.77,8.87 65.82,8.86 76.57,8.86 76.69,8.73 76.69,1.49 64.05,1.49 64.05,11.76 65.69,11.76
Periph_3V3 on Bottom: 17.34,40.65 20.46,40.66 20.46,38.48 17.34,38.48
Periph_3V3 on In5_3V3_SYS_SIGNAL.Cu: 16.96,43.08 16.99,31.66 14.8,31.6 14.8,28.69 21.29,28.63 21.35,30.61 23.99,30.64 23.96,43.16
System_4V5 on Top: 8.56,51.25 8.53,46.61 12.13,46.61 12.17,51.23
System_4V5 on In1.Cu: 9.2,53.16 9.09,21.13 17.54,21.02 17.65,53.11 9.19,53.16
Net-(F3-Pad1) on Bottom: 134.87,10.74 132.22,10.74 132.22,13.34 129.62,13.34 129.62,15.99 134.87,15.99

## Text on the board
Bottom: Jetson Nano Baseboard / Rev. 1.6.1
B.Mask: Jetson Nano Baseboard / Rev. 1.6.1
B.Silkscreen: 1
User.Drawings: Recommended PCB finish: | Gold plating (ENIG, selective) | Solder mask: matt black | Silkscreen: white | The design includes high speed signaling | Suggested prepreg material is ISOLA PR2116 | Layer | 1 | 2 | 3 | 4 | 5 | 6 | 7 | 8 | 9 | 10 | 11 | 12 | 13 | 14 | 15 | 16 | 17 | Name | Top Solder | Top Layer | Dielectric 1 | Signal 1 | Dielectric 2 | Signal 2 | Dielectric 3 | Signal 3 | Dielectric 4 | Signal 4 | Dielectric 5 | Signal 5 | Dielectric 6 | Signal 6 | Dielectric 7 | Bottom Layer | Bottom Solder | Material | Solder Resist | Copper | Prepreg | FR-4 | Thickness | 0.02  mm | 0.018 mm | 0.12  mm | 0.035 mm | 0.2   mm | 0.24  mm | Constant | 3.5 | 4.2 | Recommended PCB stackup
F.Silkscreen: A | B | PCB SHA / deadbeef
